# KiCad board Oblique Palette 0.5.1 PCB Main.kicad_pcb
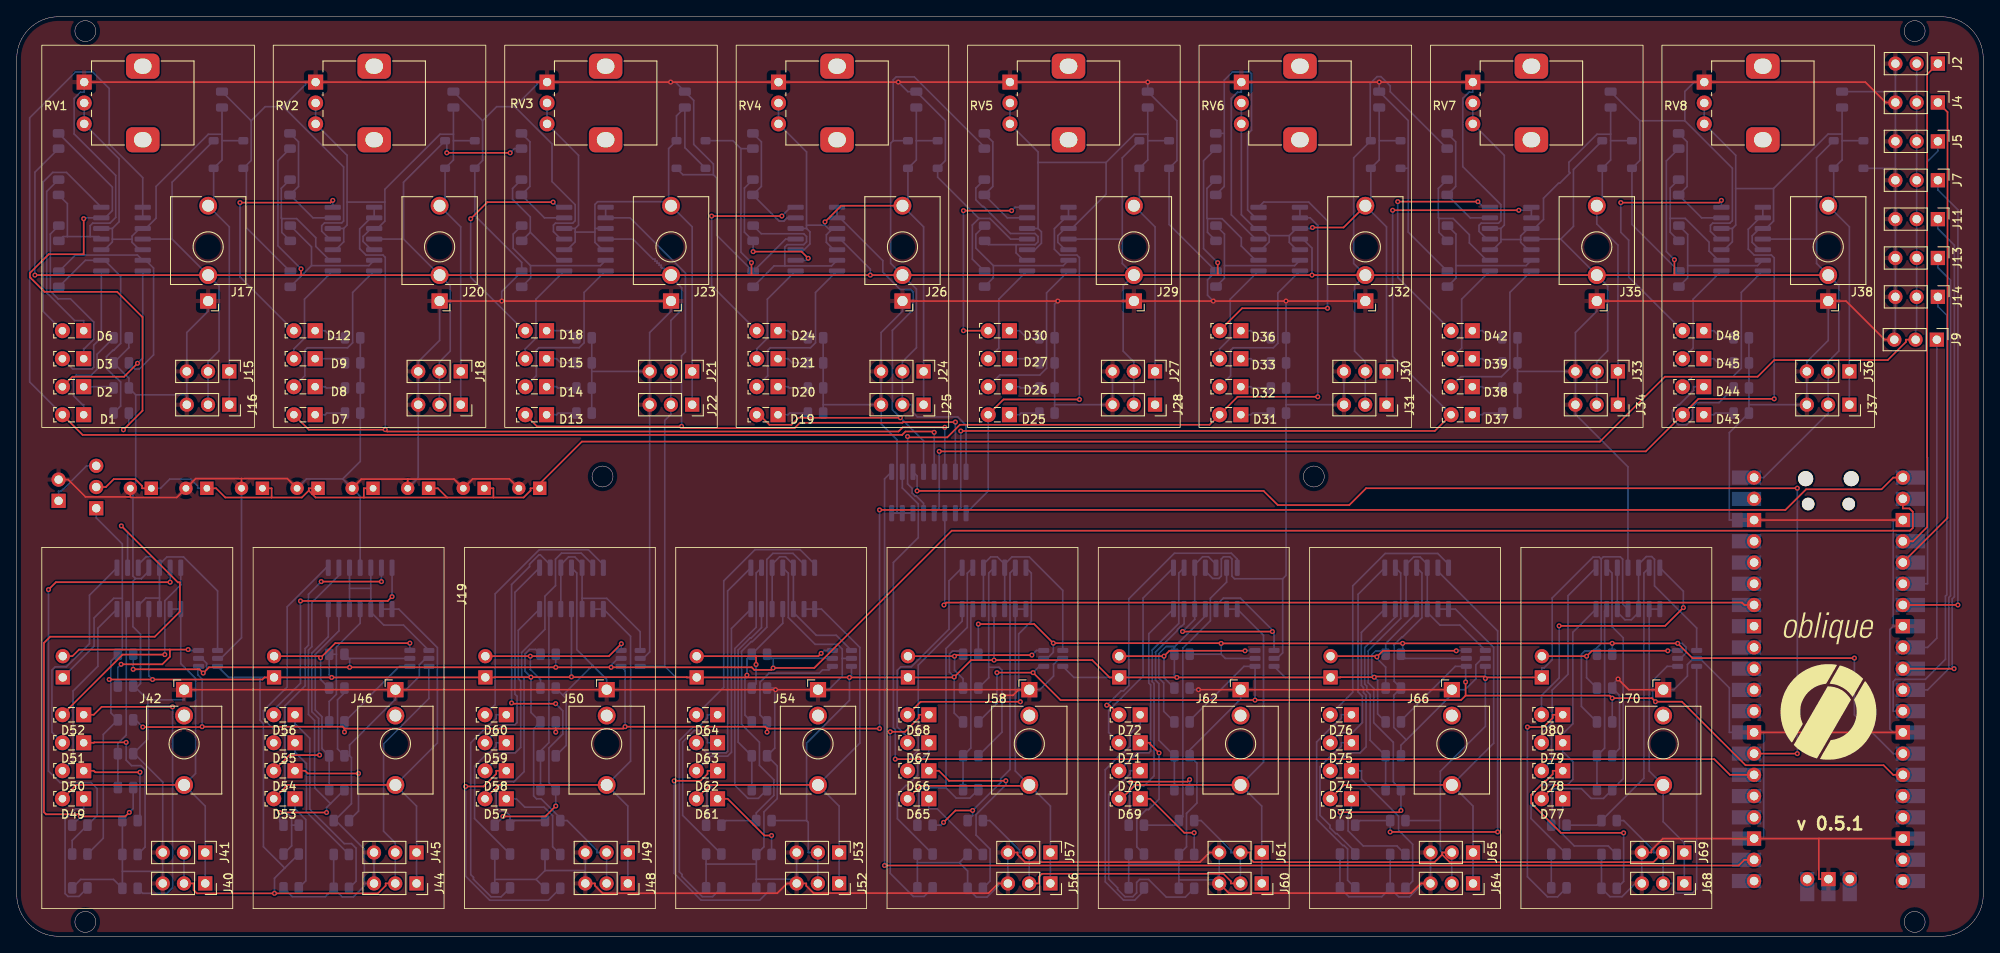
[diagram p0: board, top side]
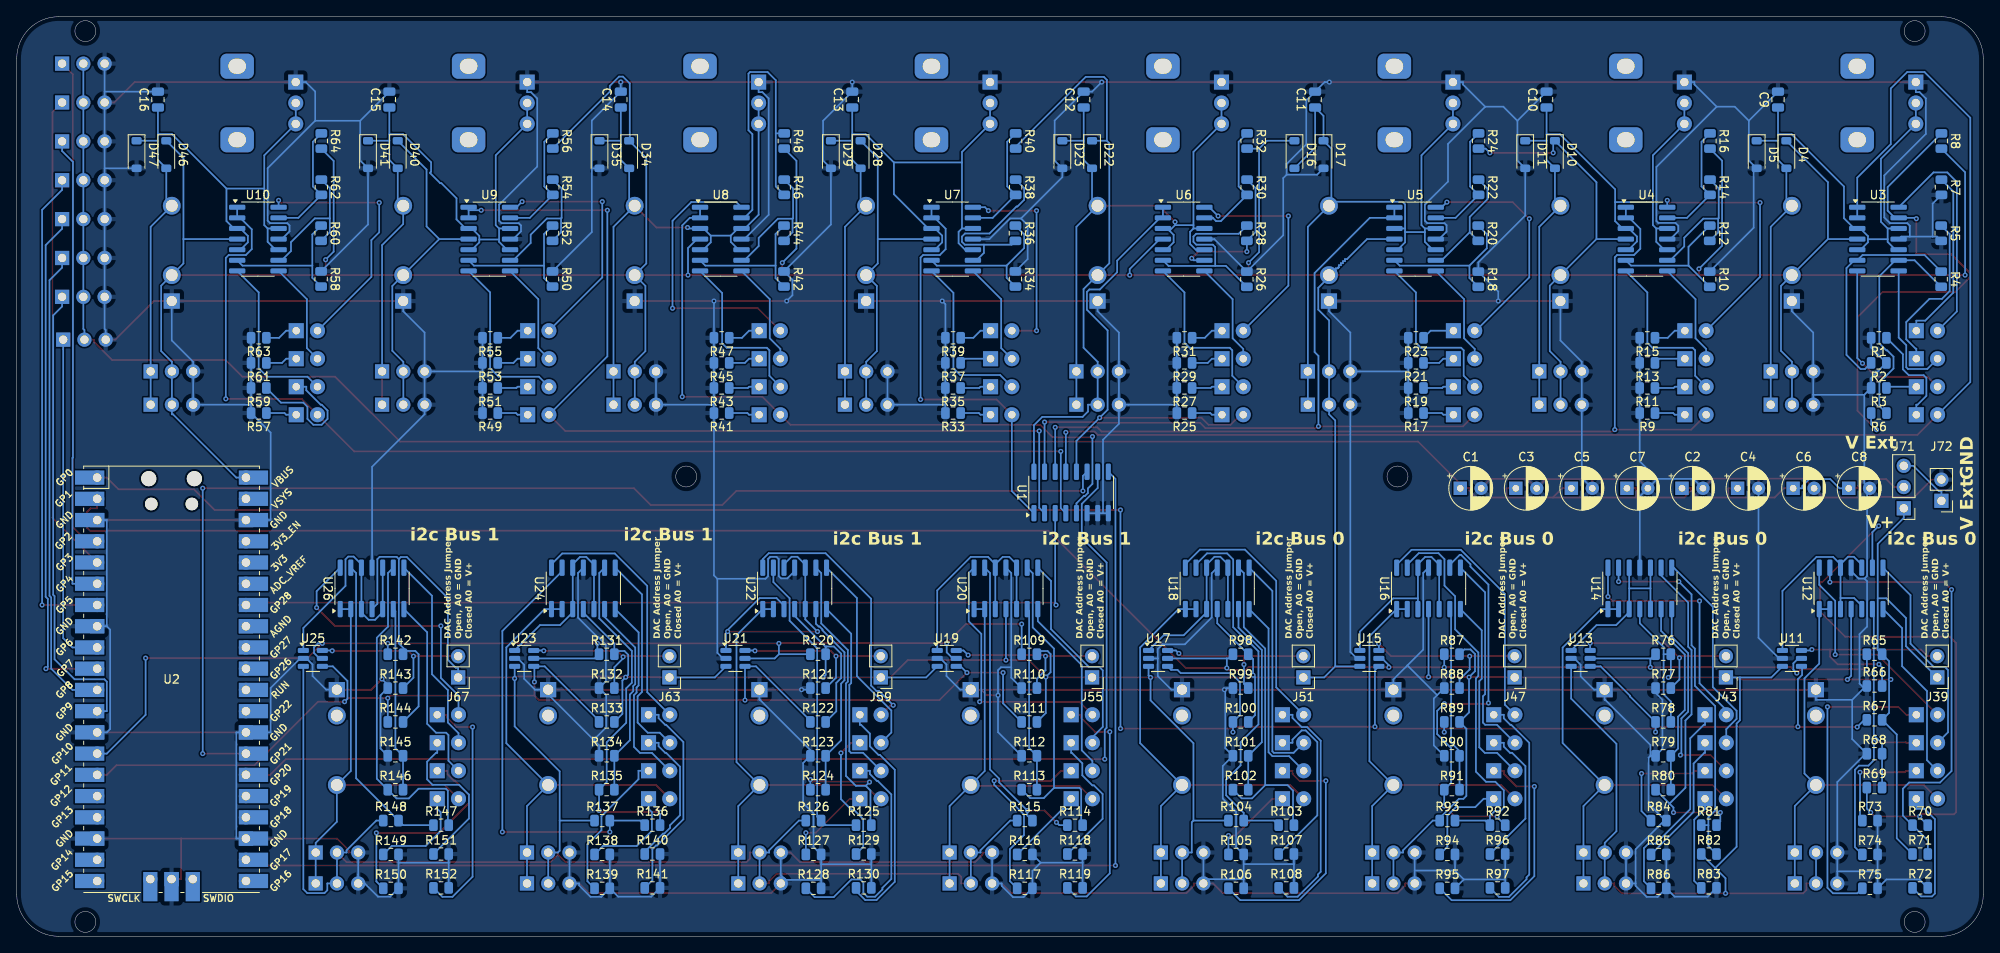
[diagram p1: board, bottom side, seen from below]

Outline 235 x 110 mm; copper layers: Top, Bottom. Coordinates in mm from the lower left corner of the outline.
Outline path: circle c8.2,108.28 r1.25 ; circle c8.2,1.72 r1.25 ; circle c70,55 r1.25 ; circle c155,55 r1.25 ; circle c226.8,108.28 r1.25 ; circle c226.8,1.72 r1.25 ; 0,105 arc(1.46,108.54) 5,110 230,110 arc(233.54,108.54) 235,105 235,5 arc(233.54,1.46) 230,0 5,0 arc(1.46,1.46) 0,5 0,105

## Placement (name value [footprint] x y rotation side)
C1  100uF  [CP_Radial_D5.0mm_P2.50mm]  62.5 53.59 180 bottom
C2  100uF  [CP_Radial_D5.0mm_P2.50mm]  36 53.59 180 bottom
C3  100uF  [CP_Radial_D5.0mm_P2.50mm]  55.86 53.59 180 bottom
C4  100uF  [CP_Radial_D5.0mm_P2.50mm]  29.36 53.59 180 bottom
C5  100uF  [CP_Radial_D5.0mm_P2.50mm]  49.22 53.59 180 bottom
C6  100uF  [CP_Radial_D5.0mm_P2.50mm]  22.72 53.59 180 bottom
C7  100uF  [CP_Radial_D5.0mm_P2.50mm]  42.58 53.59 180 bottom
C8  100uF  [CP_Radial_D5.0mm_P2.50mm]  16.08 53.59 180 bottom
C9  1n  [C_0805_2012Metric]  24.53 100.09 90 bottom
C10  1n  [C_0805_2012Metric]  52.19 100.09 90 bottom
C11  1n  [C_0805_2012Metric]  79.84 100.09 90 bottom
C12  1n  [C_0805_2012Metric]  107.5 100.09 90 bottom
C13  1n  [C_0805_2012Metric]  135.16 100.09 90 bottom
C14  1n  [C_0805_2012Metric]  162.81 100.09 90 bottom
C15  1n  [C_0805_2012Metric]  190.47 100.09 90 bottom
C16  1n  [C_0805_2012Metric]  218.13 100.09 90 bottom
D1  White  [LED_SideEmitter_Rectangular_W4.5mm_H1.6mm]  8 62.39 180 top
D2  Blue  [LED_SideEmitter_Rectangular_W4.5mm_H1.6mm]  8 65.74 180 top
D3  Yellow  [LED_SideEmitter_Rectangular_W4.5mm_H1.6mm]  8 69.09 180 top
D4  1N4148  [D_SOD-123]  23.53 93.52 270 bottom
D5  1N4148  [D_SOD-123]  27.08 93.52 270 bottom
D6  Red  [LED_SideEmitter_Rectangular_W4.5mm_H1.6mm]  8 72.44 180 top
D7  White  [LED_SideEmitter_Rectangular_W4.5mm_H1.6mm]  35.66 62.39 180 top
D8  Blue  [LED_SideEmitter_Rectangular_W4.5mm_H1.6mm]  35.66 65.74 180 top
D9  Yellow  [LED_SideEmitter_Rectangular_W4.5mm_H1.6mm]  35.66 69.09 180 top
D10  1N4148  [D_SOD-123]  51.19 93.52 270 bottom
D11  1N4148  [D_SOD-123]  54.74 93.52 270 bottom
D12  Red  [LED_SideEmitter_Rectangular_W4.5mm_H1.6mm]  35.66 72.44 180 top
D13  White  [LED_SideEmitter_Rectangular_W4.5mm_H1.6mm]  63.31 62.39 180 top
D14  Blue  [LED_SideEmitter_Rectangular_W4.5mm_H1.6mm]  63.31 65.74 180 top
D15  Yellow  [LED_SideEmitter_Rectangular_W4.5mm_H1.6mm]  63.31 69.09 180 top
D16  1N4148  [D_SOD-123]  82.31 93.52 270 bottom
D17  1N4148  [D_SOD-123]  78.84 93.52 270 bottom
D18  Red  [LED_SideEmitter_Rectangular_W4.5mm_H1.6mm]  63.31 72.44 180 top
D19  White  [LED_SideEmitter_Rectangular_W4.5mm_H1.6mm]  90.97 62.39 180 top
D20  Blue  [LED_SideEmitter_Rectangular_W4.5mm_H1.6mm]  90.97 65.74 180 top
D21  Yellow  [LED_SideEmitter_Rectangular_W4.5mm_H1.6mm]  90.97 69.09 180 top
D22  1N4148  [D_SOD-123]  106.5 93.52 270 bottom
D23  1N4148  [D_SOD-123]  110.05 93.52 270 bottom
D24  Red  [LED_SideEmitter_Rectangular_W4.5mm_H1.6mm]  90.97 72.44 180 top
D25  White  [LED_SideEmitter_Rectangular_W4.5mm_H1.6mm]  118.63 62.39 180 top
D26  Blue  [LED_SideEmitter_Rectangular_W4.5mm_H1.6mm]  118.63 65.74 180 top
D27  Yellow  [LED_SideEmitter_Rectangular_W4.5mm_H1.6mm]  118.63 69.09 180 top
D28  1N4148  [D_SOD-123]  134.16 93.52 270 bottom
D29  1N4148  [D_SOD-123]  137.71 93.52 270 bottom
D30  Red  [LED_SideEmitter_Rectangular_W4.5mm_H1.6mm]  118.63 72.44 180 top
D31  White  [LED_SideEmitter_Rectangular_W4.5mm_H1.6mm]  146.28 62.39 180 top
D32  Blue  [LED_SideEmitter_Rectangular_W4.5mm_H1.6mm]  146.28 65.74 180 top
D33  Yellow  [LED_SideEmitter_Rectangular_W4.5mm_H1.6mm]  146.28 69.09 180 top
D34  1N4148  [D_SOD-123]  161.81 93.52 270 bottom
D35  1N4148  [D_SOD-123]  165.36 93.52 270 bottom
D36  Red  [LED_SideEmitter_Rectangular_W4.5mm_H1.6mm]  146.28 72.44 180 top
D37  White  [LED_SideEmitter_Rectangular_W4.5mm_H1.6mm]  173.94 62.39 180 top
D38  Blue  [LED_SideEmitter_Rectangular_W4.5mm_H1.6mm]  173.94 65.74 180 top
D39  Yellow  [LED_SideEmitter_Rectangular_W4.5mm_H1.6mm]  173.94 69.09 180 top
D40  1N4148  [D_SOD-123]  189.47 93.52 270 bottom
D41  1N4148  [D_SOD-123]  193.02 93.52 270 bottom
D42  Red  [LED_SideEmitter_Rectangular_W4.5mm_H1.6mm]  173.94 72.44 180 top
D43  White  [LED_SideEmitter_Rectangular_W4.5mm_H1.6mm]  201.6 62.39 180 top
D44  Blue  [LED_SideEmitter_Rectangular_W4.5mm_H1.6mm]  201.6 65.74 180 top
D45  Yellow  [LED_SideEmitter_Rectangular_W4.5mm_H1.6mm]  201.6 69.09 180 top
D46  1N4148  [D_SOD-123]  217.13 93.52 270 bottom
D47  1N4148  [D_SOD-123]  220.68 93.52 270 bottom
D48  Red  [LED_SideEmitter_Rectangular_W4.5mm_H1.6mm]  201.6 72.44 180 top
D49  White  [LED_SideEmitter_Rectangular_W4.5mm_H1.6mm]  8 16.45 180 top
D50  Green  [LED_SideEmitter_Rectangular_W4.5mm_H1.6mm]  8 19.8 180 top
D51  Yellow  [LED_SideEmitter_Rectangular_W4.5mm_H1.6mm]  8 23.15 180 top
D52  Red  [LED_SideEmitter_Rectangular_W4.5mm_H1.6mm]  8 26.5 180 top
D53  White  [LED_SideEmitter_Rectangular_W4.5mm_H1.6mm]  33.25 16.45 180 top
D54  Green  [LED_SideEmitter_Rectangular_W4.5mm_H1.6mm]  33.25 19.8 180 top
D55  Yellow  [LED_SideEmitter_Rectangular_W4.5mm_H1.6mm]  33.25 23.15 180 top
D56  Red  [LED_SideEmitter_Rectangular_W4.5mm_H1.6mm]  33.25 26.5 180 top
D57  White  [LED_SideEmitter_Rectangular_W4.5mm_H1.6mm]  58.5 16.45 180 top
D58  Green  [LED_SideEmitter_Rectangular_W4.5mm_H1.6mm]  58.5 19.8 180 top
D59  Yellow  [LED_SideEmitter_Rectangular_W4.5mm_H1.6mm]  58.5 23.15 180 top
D60  Red  [LED_SideEmitter_Rectangular_W4.5mm_H1.6mm]  58.5 26.5 180 top
D61  White  [LED_SideEmitter_Rectangular_W4.5mm_H1.6mm]  83.75 16.45 180 top
D62  Green  [LED_SideEmitter_Rectangular_W4.5mm_H1.6mm]  83.75 19.8 180 top
D63  Yellow  [LED_SideEmitter_Rectangular_W4.5mm_H1.6mm]  83.75 23.15 180 top
D64  Red  [LED_SideEmitter_Rectangular_W4.5mm_H1.6mm]  83.75 26.5 180 top
D65  White  [LED_SideEmitter_Rectangular_W4.5mm_H1.6mm]  109 16.45 180 top
D66  Green  [LED_SideEmitter_Rectangular_W4.5mm_H1.6mm]  109 19.8 180 top
D67  Yellow  [LED_SideEmitter_Rectangular_W4.5mm_H1.6mm]  109 23.15 180 top
D68  Red  [LED_SideEmitter_Rectangular_W4.5mm_H1.6mm]  109 26.5 180 top
D69  White  [LED_SideEmitter_Rectangular_W4.5mm_H1.6mm]  134.25 16.45 180 top
D70  Green  [LED_SideEmitter_Rectangular_W4.5mm_H1.6mm]  134.25 19.8 180 top
D71  Yellow  [LED_SideEmitter_Rectangular_W4.5mm_H1.6mm]  134.25 23.15 180 top
D72  Red  [LED_SideEmitter_Rectangular_W4.5mm_H1.6mm]  134.25 26.5 180 top
D73  White  [LED_SideEmitter_Rectangular_W4.5mm_H1.6mm]  159.5 16.45 180 top
D74  Green  [LED_SideEmitter_Rectangular_W4.5mm_H1.6mm]  159.5 19.8 180 top
D75  Yellow  [LED_SideEmitter_Rectangular_W4.5mm_H1.6mm]  159.5 23.15 180 top
D76  Red  [LED_SideEmitter_Rectangular_W4.5mm_H1.6mm]  159.5 26.5 180 top
D77  White  [LED_SideEmitter_Rectangular_W4.5mm_H1.6mm]  184.75 16.45 180 top
D78  Green  [LED_SideEmitter_Rectangular_W4.5mm_H1.6mm]  184.75 19.8 180 top
D79  Yellow  [LED_SideEmitter_Rectangular_W4.5mm_H1.6mm]  184.75 23.15 180 top
D80  Red  [LED_SideEmitter_Rectangular_W4.5mm_H1.6mm]  184.75 26.5 180 top
G1  LOGO  [PCB silkscreen logo]  216.5 26.84 0 top
G2  LOGO  [PCB silkscreen logotype]  216.5 36.84 0 top
J2  Conn_01x03_Male_Pin  [PinHeader_1x03_P2.54mm_Vertical]  229.58 104.39 270 top  (not fitted)
J4  Conn_01x03_Male_Pin  [PinHeader_1x03_P2.54mm_Vertical]  229.58 99.74 270 top  (not fitted)
J5  Conn_01x03_Male_Pin  [PinHeader_1x03_P2.54mm_Vertical]  229.58 95.09 270 top  (not fitted)
J7  Conn_01x03_Male_Pin  [PinHeader_1x03_P2.54mm_Vertical]  229.58 90.44 270 top  (not fitted)
J9  Conn_01x03_Male_Pin  [PinHeader_1x03_P2.54mm_Vertical]  229.45 71.37 270 top  (not fitted)
J11  Conn_01x03_Male_Pin  [PinHeader_1x03_P2.54mm_Vertical]  229.58 85.79 270 top  (not fitted)
J13  Conn_01x03_Male_Pin  [PinHeader_1x03_P2.54mm_Vertical]  229.58 81.14 270 top  (not fitted)
J14  Conn_01x03_Male_Pin  [PinHeader_1x03_P2.54mm_Vertical]  229.58 76.49 270 top  (not fitted)
J15  Conn_01x03_Male_Pin  [PinHeader_1x03_P2.54mm_Vertical]  25.4 67.57 270 top
J16  Conn_01x03_Female_Pin  [PinSocket_1x03_P2.54mm_Vertical]  25.4 63.59 270 top
J17  AudioJack2_SwitchT  [Jack_3.5mm_QingPu_WQP-PJ398SM_Vertical_CircularHoles]  22.88 75.99 180 top
J18  Conn_01x03_Male_Pin  [PinHeader_1x03_P2.54mm_Vertical]  53.06 67.57 270 top
J19  Conn_01x03_Female_Pin  [PinSocket_1x03_P2.54mm_Vertical]  53.06 63.59 270 top
J20  AudioJack2_SwitchT  [Jack_3.5mm_QingPu_WQP-PJ398SM_Vertical_CircularHoles]  50.53 75.99 180 top
J21  Conn_01x03_Male_Pin  [PinHeader_1x03_P2.54mm_Vertical]  80.71 67.57 270 top
J22  Conn_01x03_Female_Pin  [PinSocket_1x03_P2.54mm_Vertical]  80.71 63.59 270 top
J23  AudioJack2_SwitchT  [Jack_3.5mm_QingPu_WQP-PJ398SM_Vertical_CircularHoles]  78.19 75.99 180 top
J24  Conn_01x03_Male_Pin  [PinHeader_1x03_P2.54mm_Vertical]  108.37 67.57 270 top
J25  Conn_01x03_Female_Pin  [PinSocket_1x03_P2.54mm_Vertical]  108.37 63.59 270 top
J26  AudioJack2_SwitchT  [Jack_3.5mm_QingPu_WQP-PJ398SM_Vertical_CircularHoles]  105.85 75.99 180 top
J27  Conn_01x03_Male_Pin  [PinHeader_1x03_P2.54mm_Vertical]  136.03 67.57 270 top
J28  Conn_01x03_Female_Pin  [PinSocket_1x03_P2.54mm_Vertical]  136.03 63.59 270 top
J29  AudioJack2_SwitchT  [Jack_3.5mm_QingPu_WQP-PJ398SM_Vertical_CircularHoles]  133.5 75.99 180 top
J30  Conn_01x03_Male_Pin  [PinHeader_1x03_P2.54mm_Vertical]  163.69 67.57 270 top
J31  Conn_01x03_Female_Pin  [PinSocket_1x03_P2.54mm_Vertical]  163.69 63.59 270 top
J32  AudioJack2_SwitchT  [Jack_3.5mm_QingPu_WQP-PJ398SM_Vertical_CircularHoles]  161.16 75.99 180 top
J33  Conn_01x03_Male_Pin  [PinHeader_1x03_P2.54mm_Vertical]  191.34 67.57 270 top
J34  Conn_01x03_Female_Pin  [PinSocket_1x03_P2.54mm_Vertical]  191.34 63.59 270 top
J35  AudioJack2_SwitchT  [Jack_3.5mm_QingPu_WQP-PJ398SM_Vertical_CircularHoles]  188.82 75.99 180 top
J36  Conn_01x03_Male_Pin  [PinHeader_1x03_P2.54mm_Vertical]  219 67.57 270 top
J37  Conn_01x03_Female_Pin  [PinSocket_1x03_P2.54mm_Vertical]  219 63.59 270 top
J38  AudioJack2_SwitchT  [Jack_3.5mm_QingPu_WQP-PJ398SM_Vertical_CircularHoles]  216.47 75.99 180 top
J39  Conn_01x02_Pin  [PinHeader_1x02_P2.54mm_Vertical]  5.5 30.97 0 bottom
J40  Conn_01x03_Female_Pin  [PinSocket_1x03_P2.54mm_Vertical]  22.52 6.32 270 top
J41  Conn_01x03_Male_Pin  [PinHeader_1x03_P2.54mm_Vertical]  22.52 10.02 270 top
J42  AudioJack2_SwitchT  [Jack_3.5mm_QingPu_WQP-PJ398SM_Vertical_CircularHoles]  20 29.5 0 top
J43  Conn_01x02_Pin  [PinHeader_1x02_P2.54mm_Vertical]  30.75 30.97 0 bottom
J44  Conn_01x03_Female_Pin  [PinSocket_1x03_P2.54mm_Vertical]  47.77 6.32 270 top
J45  Conn_01x03_Male_Pin  [PinHeader_1x03_P2.54mm_Vertical]  47.77 10.02 270 top
J46  AudioJack2_SwitchT  [Jack_3.5mm_QingPu_WQP-PJ398SM_Vertical_CircularHoles]  45.25 29.5 0 top
J47  Conn_01x02_Pin  [PinHeader_1x02_P2.54mm_Vertical]  56 30.97 0 bottom
J48  Conn_01x03_Female_Pin  [PinSocket_1x03_P2.54mm_Vertical]  73.03 6.32 270 top
J49  Conn_01x03_Male_Pin  [PinHeader_1x03_P2.54mm_Vertical]  73.03 10.02 270 top
J50  AudioJack2_SwitchT  [Jack_3.5mm_QingPu_WQP-PJ398SM_Vertical_CircularHoles]  70.5 29.5 0 top
J51  Conn_01x02_Pin  [PinHeader_1x02_P2.54mm_Vertical]  81.25 30.97 0 bottom
J52  Conn_01x03_Female_Pin  [PinSocket_1x03_P2.54mm_Vertical]  98.28 6.32 270 top
J53  Conn_01x03_Male_Pin  [PinHeader_1x03_P2.54mm_Vertical]  98.28 10.02 270 top
J54  AudioJack2_SwitchT  [Jack_3.5mm_QingPu_WQP-PJ398SM_Vertical_CircularHoles]  95.75 29.5 0 top
J55  Conn_01x02_Pin  [PinHeader_1x02_P2.54mm_Vertical]  106.5 30.97 0 bottom
J56  Conn_01x03_Female_Pin  [PinSocket_1x03_P2.54mm_Vertical]  123.53 6.32 270 top
J57  Conn_01x03_Male_Pin  [PinHeader_1x03_P2.54mm_Vertical]  123.53 10.02 270 top
J58  AudioJack2_SwitchT  [Jack_3.5mm_QingPu_WQP-PJ398SM_Vertical_CircularHoles]  121 29.5 0 top
J59  Conn_01x02_Pin  [PinHeader_1x02_P2.54mm_Vertical]  131.75 30.97 0 bottom
J60  Conn_01x03_Female_Pin  [PinSocket_1x03_P2.54mm_Vertical]  148.78 6.32 270 top
J61  Conn_01x03_Male_Pin  [PinHeader_1x03_P2.54mm_Vertical]  148.78 10.02 270 top
J62  AudioJack2_SwitchT  [Jack_3.5mm_QingPu_WQP-PJ398SM_Vertical_CircularHoles]  146.25 29.5 0 top
J63  Conn_01x02_Pin  [PinHeader_1x02_P2.54mm_Vertical]  157 30.97 0 bottom
J64  Conn_01x03_Female_Pin  [PinSocket_1x03_P2.54mm_Vertical]  174.03 6.32 270 top
J65  Conn_01x03_Male_Pin  [PinHeader_1x03_P2.54mm_Vertical]  174.03 10.02 270 top
J66  AudioJack2_SwitchT  [Jack_3.5mm_QingPu_WQP-PJ398SM_Vertical_CircularHoles]  171.5 29.5 0 top
J67  Conn_01x02_Pin  [PinHeader_1x02_P2.54mm_Vertical]  182.25 30.97 0 bottom
J68  Conn_01x03_Female_Pin  [PinSocket_1x03_P2.54mm_Vertical]  199.28 6.32 270 top
J69  Conn_01x03_Male_Pin  [PinHeader_1x03_P2.54mm_Vertical]  199.28 10.02 270 top
J70  AudioJack2_SwitchT  [Jack_3.5mm_QingPu_WQP-PJ398SM_Vertical_CircularHoles]  196.75 29.5 0 top
J71  Conn_01x03_Male_Pin  [PinHeader_1x03_P2.54mm_Vertical]  9.5 51.2 0 bottom  (not fitted)
J72  Conn_01x02_Pin  [PinHeader_1x02_P2.54mm_Vertical]  5 52.09 0 bottom  (not fitted)
R1  1k  [R_0805_2012Metric]  12.48 71.59 0 bottom
R2  47K  [R_0805_2012Metric]  12.49 68.59 0 bottom
R3  68R  [R_0805_2012Metric]  12.49 65.59 0 bottom
R4  390K  [R_0805_2012Metric]  5.03 78.6 270 bottom
R5  128R  [R_0805_2012Metric]  5.03 84.1 270 bottom
R6  270K  [R_0805_2012Metric]  12.48 62.59 0 bottom
R7  128R  [R_0805_2012Metric]  5 89.6 270 bottom
R8  100K  [R_0805_2012Metric]  5 95.14 270 bottom
R9  1k  [R_0805_2012Metric]  40.14 62.59 0 bottom
R10  47K  [R_0805_2012Metric]  32.69 78.6 270 bottom
R11  68R  [R_0805_2012Metric]  40.15 65.59 0 bottom
R12  390K  [R_0805_2012Metric]  32.69 84.1 270 bottom
R13  128R  [R_0805_2012Metric]  40.15 68.59 0 bottom
R14  270K  [R_0805_2012Metric]  32.66 89.6 270 bottom
R15  128R  [R_0805_2012Metric]  40.14 71.59 0 bottom
R16  100K  [R_0805_2012Metric]  32.66 95.14 270 bottom
R17  1k  [R_0805_2012Metric]  67.8 62.59 0 bottom
R18  47K  [R_0805_2012Metric]  60.34 78.6 270 bottom
R19  68R  [R_0805_2012Metric]  67.8 65.59 0 bottom
R20  390K  [R_0805_2012Metric]  60.34 84.1 270 bottom
R21  128R  [R_0805_2012Metric]  67.8 68.59 0 bottom
R22  270K  [R_0805_2012Metric]  60.31 89.6 270 bottom
R23  128R  [R_0805_2012Metric]  67.8 71.59 0 bottom
R24  100K  [R_0805_2012Metric]  60.31 95.14 270 bottom
R25  1k  [R_0805_2012Metric]  95.45 62.59 0 bottom
R26  47K  [R_0805_2012Metric]  88 78.6 270 bottom
R27  68R  [R_0805_2012Metric]  95.46 65.59 0 bottom
R28  390K  [R_0805_2012Metric]  88 84.1 270 bottom
R29  128R  [R_0805_2012Metric]  95.46 68.59 0 bottom
R30  270K  [R_0805_2012Metric]  87.97 89.6 270 bottom
R31  128R  [R_0805_2012Metric]  95.45 71.59 0 bottom
R32  100K  [R_0805_2012Metric]  87.97 95.14 270 bottom
R33  1k  [R_0805_2012Metric]  123.11 62.59 0 bottom
R34  47K  [R_0805_2012Metric]  115.66 78.63 270 bottom
R35  68R  [R_0805_2012Metric]  123.12 65.59 0 bottom
R36  390K  [R_0805_2012Metric]  115.66 84.1 270 bottom
R37  128R  [R_0805_2012Metric]  123.12 68.59 0 bottom
R38  270K  [R_0805_2012Metric]  115.63 89.6 270 bottom
R39  128R  [R_0805_2012Metric]  123.11 71.59 0 bottom
R40  100K  [R_0805_2012Metric]  115.63 95.14 270 bottom
R41  1k  [R_0805_2012Metric]  150.77 62.59 0 bottom
R42  47K  [R_0805_2012Metric]  143.31 78.63 270 bottom
R43  68R  [R_0805_2012Metric]  150.77 65.59 0 bottom
R44  390K  [R_0805_2012Metric]  143.31 84.1 270 bottom
R45  128R  [R_0805_2012Metric]  150.77 68.59 0 bottom
R46  270K  [R_0805_2012Metric]  143.28 89.6 270 bottom
R47  128R  [R_0805_2012Metric]  150.77 71.59 0 bottom
R48  100K  [R_0805_2012Metric]  143.28 95.14 270 bottom
R49  1k  [R_0805_2012Metric]  178.43 62.59 0 bottom
R50  47K  [R_0805_2012Metric]  170.97 78.63 270 bottom
R51  68R  [R_0805_2012Metric]  178.43 65.59 0 bottom
R52  390K  [R_0805_2012Metric]  170.97 84.1 270 bottom
R53  128R  [R_0805_2012Metric]  178.43 68.59 0 bottom
R54  270K  [R_0805_2012Metric]  170.94 89.6 270 bottom
R55  128R  [R_0805_2012Metric]  178.43 71.59 0 bottom
R56  100K  [R_0805_2012Metric]  170.94 95.14 270 bottom
R57  1k  [R_0805_2012Metric]  206.08 62.59 0 bottom
R58  47K  [R_0805_2012Metric]  198.63 78.63 270 bottom
R59  68R  [R_0805_2012Metric]  206.09 65.59 0 bottom
R60  390K  [R_0805_2012Metric]  198.63 84.1 270 bottom
R61  128R  [R_0805_2012Metric]  206.09 68.59 0 bottom
R62  270K  [R_0805_2012Metric]  198.6 89.6 270 bottom
R63  128R  [R_0805_2012Metric]  206.08 71.59 0 bottom
R64  100K  [R_0805_2012Metric]  198.6 95.14 270 bottom
R65  10K  [R_0805_2012Metric]  13 33.74 180 bottom
R66  10K  [R_0805_2012Metric]  13 29.94 180 bottom
R67  10K  [R_0805_2012Metric]  13 25.89 180 bottom
R68  47K  [R_0805_2012Metric]  13 21.84 180 bottom
R69  390K  [R_0805_2012Metric]  13 17.79 180 bottom
R70  270K  [R_0805_2012Metric]  7.54 13.29 180 bottom
R71  100K  [R_0805_2012Metric]  7.54 9.84 180 bottom
R72  1k  [R_0805_2012Metric]  7.54 5.79 180 bottom
R73  68R  [R_0805_2012Metric]  13.54 13.84 180 bottom
R74  128R  [R_0805_2012Metric]  13.54 9.79 180 bottom
R75  128R  [R_0805_2012Metric]  13.54 5.74 180 bottom
R76  10K  [R_0805_2012Metric]  38.25 33.74 180 bottom
R77  10K  [R_0805_2012Metric]  38.25 29.69 180 bottom
R78  10K  [R_0805_2012Metric]  38.25 25.64 180 bottom
R79  47K  [R_0805_2012Metric]  38.25 21.59 180 bottom
R80  390K  [R_0805_2012Metric]  38.25 17.54 180 bottom
R81  270K  [R_0805_2012Metric]  32.79 13.29 180 bottom
R82  100K  [R_0805_2012Metric]  32.79 9.84 180 bottom
R83  1k  [R_0805_2012Metric]  32.79 5.79 180 bottom
R84  68R  [R_0805_2012Metric]  38.79 13.84 180 bottom
R85  128R  [R_0805_2012Metric]  38.79 9.79 180 bottom
R86  128R  [R_0805_2012Metric]  38.79 5.74 180 bottom
R87  10K  [R_0805_2012Metric]  63.5 33.74 180 bottom
R88  10K  [R_0805_2012Metric]  63.5 29.69 180 bottom
R89  10K  [R_0805_2012Metric]  63.5 25.64 180 bottom
R90  47K  [R_0805_2012Metric]  63.5 21.59 180 bottom
R91  390K  [R_0805_2012Metric]  63.5 17.54 180 bottom
R92  270K  [R_0805_2012Metric]  58.04 13.29 180 bottom
R93  100K  [R_0805_2012Metric]  64.04 13.84 180 bottom
R94  1k  [R_0805_2012Metric]  64.04 9.79 180 bottom
R95  68R  [R_0805_2012Metric]  64.04 5.74 180 bottom
R96  128R  [R_0805_2012Metric]  58.04 9.84 180 bottom
R97  128R  [R_0805_2012Metric]  58.04 5.79 180 bottom
R98  10K  [R_0805_2012Metric]  88.75 33.74 180 bottom
R99  10K  [R_0805_2012Metric]  88.75 29.69 180 bottom
R100  10K  [R_0805_2012Metric]  88.75 25.64 180 bottom
R101  47K  [R_0805_2012Metric]  88.75 21.59 180 bottom
R102  390K  [R_0805_2012Metric]  88.75 17.54 180 bottom
R103  270K  [R_0805_2012Metric]  83.29 13.29 180 bottom
R104  100K  [R_0805_2012Metric]  89.29 13.84 180 bottom
R105  1k  [R_0805_2012Metric]  89.29 9.79 180 bottom
R106  68R  [R_0805_2012Metric]  89.29 5.74 180 bottom
R107  128R  [R_0805_2012Metric]  83.29 9.84 180 bottom
R108  128R  [R_0805_2012Metric]  83.29 5.79 180 bottom
R109  10K  [R_0805_2012Metric]  114 33.74 180 bottom
R110  10K  [R_0805_2012Metric]  114 29.69 180 bottom
R111  10K  [R_0805_2012Metric]  114 25.64 180 bottom
R112  47K  [R_0805_2012Metric]  114 21.59 180 bottom
R113  390K  [R_0805_2012Metric]  114 17.54 180 bottom
R114  270K  [R_0805_2012Metric]  108.54 13.29 180 bottom
R115  100K  [R_0805_2012Metric]  114.54 13.84 180 bottom
R116  1k  [R_0805_2012Metric]  114.54 9.79 180 bottom
R117  68R  [R_0805_2012Metric]  114.54 5.74 180 bottom
R118  128R  [R_0805_2012Metric]  108.54 9.84 180 bottom
R119  128R  [R_0805_2012Metric]  108.54 5.79 180 bottom
R120  10K  [R_0805_2012Metric]  139.25 33.74 180 bottom
R121  10K  [R_0805_2012Metric]  139.25 29.69 180 bottom
R122  10K  [R_0805_2012Metric]  139.25 25.64 180 bottom
R123  47K  [R_0805_2012Metric]  139.25 21.59 180 bottom
R124  390K  [R_0805_2012Metric]  139.25 17.54 180 bottom
R125  270K  [R_0805_2012Metric]  133.79 13.29 180 bottom
R126  100K  [R_0805_2012Metric]  139.79 13.84 180 bottom
R127  1k  [R_0805_2012Metric]  139.79 9.79 180 bottom
R128  68R  [R_0805_2012Metric]  139.79 5.74 180 bottom
R129  128R  [R_0805_2012Metric]  133.79 9.84 180 bottom
R130  128R  [R_0805_2012Metric]  133.79 5.79 180 bottom
R131  10K  [R_0805_2012Metric]  164.5 33.74 180 bottom
R132  10K  [R_0805_2012Metric]  164.5 29.69 180 bottom
R133  10K  [R_0805_2012Metric]  164.5 25.64 180 bottom
R134  47K  [R_0805_2012Metric]  164.5 21.59 180 bottom
R135  390K  [R_0805_2012Metric]  164.5 17.54 180 bottom
R136  270K  [R_0805_2012Metric]  159.04 13.29 180 bottom
R137  100K  [R_0805_2012Metric]  165.04 13.84 180 bottom
R138  1k  [R_0805_2012Metric]  165.04 9.79 180 bottom
R139  68R  [R_0805_2012Metric]  165.04 5.74 180 bottom
R140  128R  [R_0805_2012Metric]  159.04 9.84 180 bottom
R141  128R  [R_0805_2012Metric]  159.04 5.79 180 bottom
R142  10K  [R_0805_2012Metric]  189.75 33.74 180 bottom
R143  10K  [R_0805_2012Metric]  189.75 29.69 180 bottom
R144  10K  [R_0805_2012Metric]  189.75 25.64 180 bottom
R145  47K  [R_0805_2012Metric]  189.75 21.59 180 bottom
R146  390K  [R_0805_2012Metric]  189.75 17.54 180 bottom
R147  270K  [R_0805_2012Metric]  184.29 13.29 180 bottom
R148  100K  [R_0805_2012Metric]  190.29 13.84 180 bottom
R149  1k  [R_0805_2012Metric]  190.29 9.79 180 bottom
R150  68R  [R_0805_2012Metric]  190.29 5.74 180 bottom
R151  128R  [R_0805_2012Metric]  184.29 9.84 180 bottom
R152  128R  [R_0805_2012Metric]  184.29 5.79 180 bottom
RV1  R_Potentiometer_MountingPin  [Potentiometer_Alps_RK09K_Single_Vertical]  8.06 102.18 0 top
RV2  R_Potentiometer_MountingPin  [Potentiometer_Alps_RK09K_Single_Vertical]  35.72 102.18 0 top
RV3  R_Potentiometer_MountingPin  [Potentiometer_Alps_RK09K_Single_Vertical]  63.37 102.18 0 top
RV4  R_Potentiometer_MountingPin  [Potentiometer_Alps_RK09K_Single_Vertical]  91.03 102.18 0 top
RV5  R_Potentiometer_MountingPin  [Potentiometer_Alps_RK09K_Single_Vertical]  118.69 102.18 0 top
RV6  R_Potentiometer_MountingPin  [Potentiometer_Alps_RK09K_Single_Vertical]  146.34 102.18 0 top
RV7  R_Potentiometer_MountingPin  [Potentiometer_Alps_RK09K_Single_Vertical]  174 102.18 0 top
RV8  R_Potentiometer_MountingPin  [Potentiometer_Alps_RK09K_Single_Vertical]  201.66 102.18 0 top
U1  CD4051B  [SOIC-16_3.9x9.9mm_P1.27mm]  109 53.09 90 bottom
U2  Pico  [RPi_Pico_SMD_TH]  216.5 30.74 180 bottom  (not fitted)
U3  MCP6004  [SOIC-14_3.9x8.7mm_P1.27mm]  12.58 83.4 180 bottom
U4  MCP6004  [SOIC-14_3.9x8.7mm_P1.27mm]  40.24 83.4 180 bottom
U5  MCP6004  [SOIC-14_3.9x8.7mm_P1.27mm]  67.9 83.4 180 bottom
U6  MCP6004  [SOIC-14_3.9x8.7mm_P1.27mm]  95.55 83.4 180 bottom
U7  MCP6004  [SOIC-14_3.9x8.7mm_P1.27mm]  123.21 83.4 180 bottom
U8  MCP6004  [SOIC-14_3.9x8.7mm_P1.27mm]  150.87 83.4 180 bottom
U9  MCP6004  [SOIC-14_3.9x8.7mm_P1.27mm]  178.53 83.4 180 bottom
U10  MCP6004  [SOIC-14_3.9x8.7mm_P1.27mm]  206.18 83.4 180 bottom
U11  MCP4725xxx-xCH  [SOT-23-6]  22.86 33.24 180 bottom  (not fitted)
U12  MCP6004  [SOIC-14_3.9x8.7mm_P1.27mm]  15.79 41.61 90 bottom